# Altium PCB CarrierBoard.PcbDoc (part 1 of 2)
Units mm, origin at the board's own origin, x right, y up, seen from the top; angles counter-clockwise.
Board outline 350 x 150 mm, 2 copper layers (Top Layer, Bottom Layer); 50 components, 263 nets, 1134 pads, 905 vias.
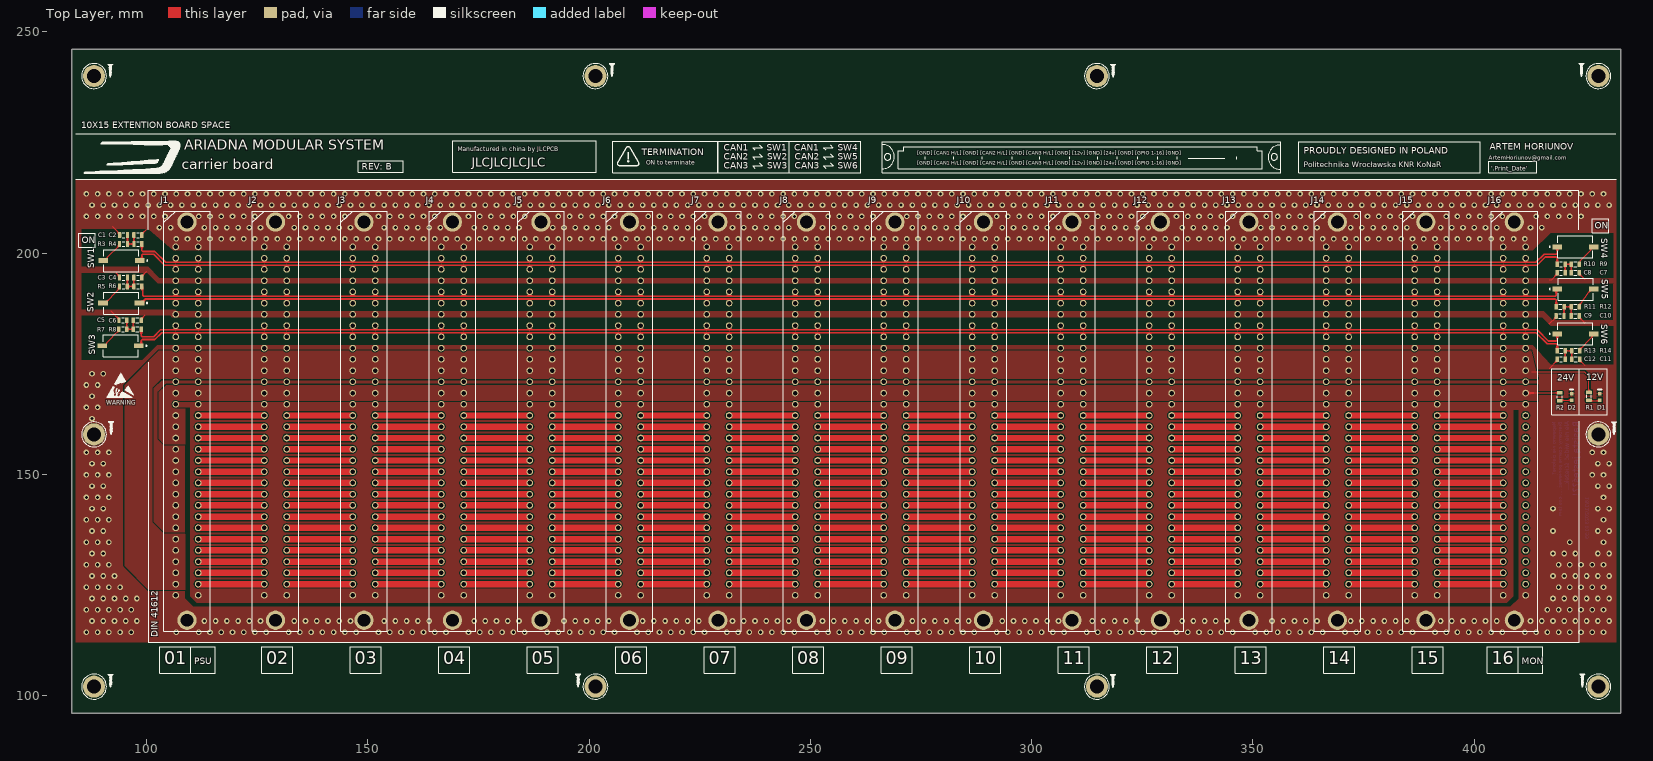
[diagram p0: Top Layer view]
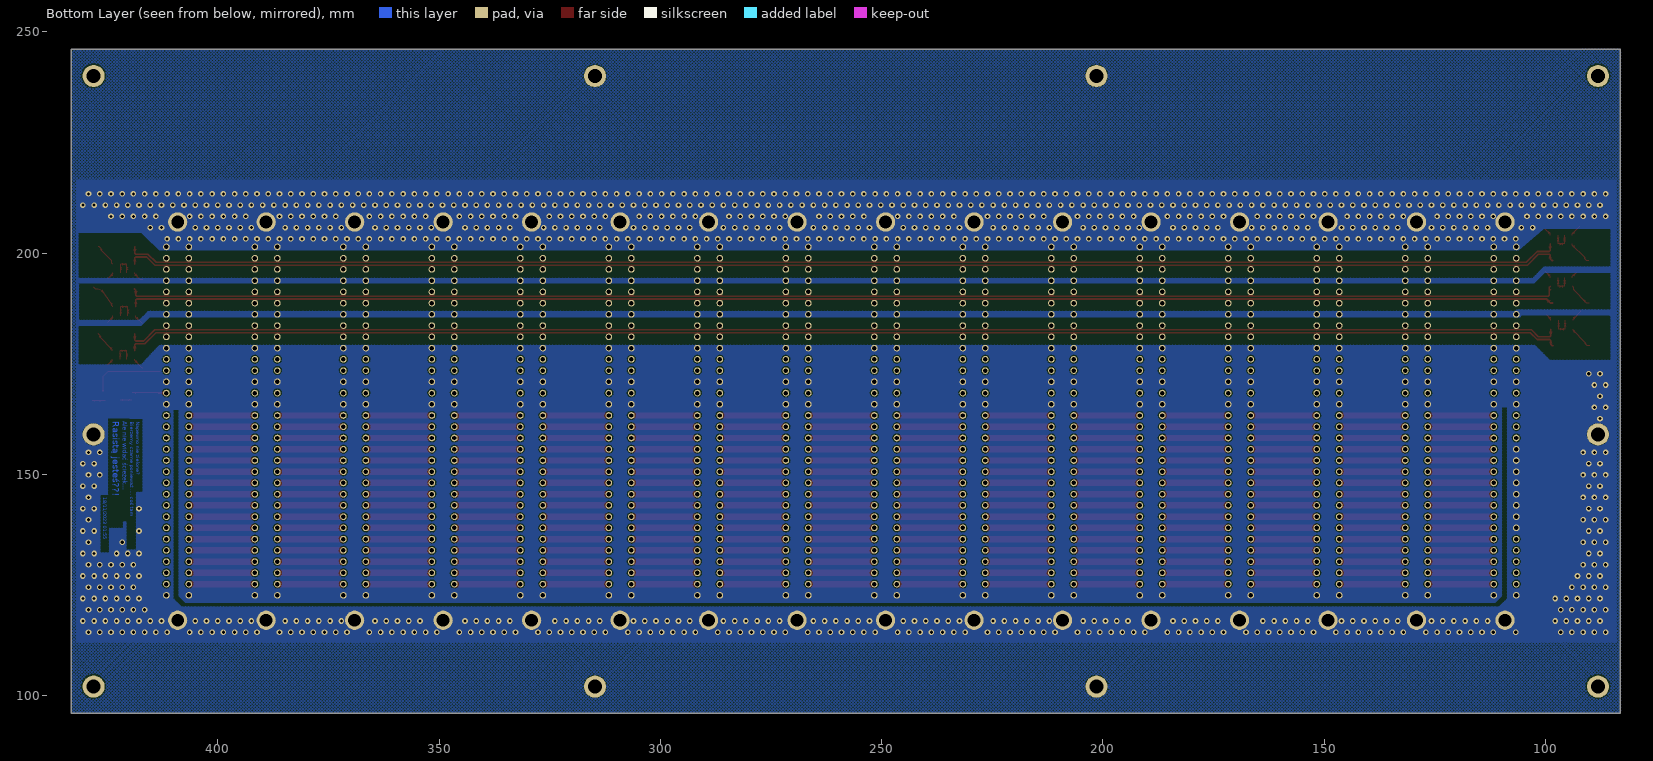
[diagram p1: Bottom Layer view, seen from below]

## Layer stack, top to bottom
Top Solder: solder mask 0.0102, Solder Resist, Dk 3.5
Top Layer: signal copper 0.0356
Dielectric 1: dielectric 0.32, FR-4, Dk 4.5
Bottom Layer: signal copper 0.0356
Bottom Solder: solder mask 0.0102, Solder Resist, Dk 3.5

## Board outline
83.1,96 433.1,96 433.1,246 83.1,246

## Design rules (kind name [scope] priority, off if disabled: settings)
Clearance [All] p1: gap=0.254 ignorepadtopadclearanceinfootprint=FALSE except(0: Arc-Hole Track-Hole SMDPad-Hole THPad-Hole Via-Hole Fill-Hole Poly-Hole Region-Hole Text-Hole)
DiffPairsRouting "Schematic Differential Pairs Routing" [InNet('CAN1_P')] p1: maxlimit=0.254 minlimit=0.254 mostfreqgap=0.254 toplayer_minwidth=0.381 toplayer_maxwidth=0.381 toplayer_prefwidth=0.381 bottomlayer_minwidth=0.381 bottomlayer_maxwidth=0.381 bottomlayer_prefwidth=0.381 maxuncoupledlength=12.7
DiffPairsRouting [All] p2: maxlimit=0.254 minlimit=0.254 mostfreqgap=0.254 toplayer_minwidth=0.381 toplayer_maxwidth=5 toplayer_prefwidth=0.381 bottomlayer_minwidth=0.381 bottomlayer_maxwidth=5 bottomlayer_prefwidth=0.381 maxuncoupledlength=12.7
HoleSize [All] p1: absolutevalues=TRUE maxlimit=6.3 minlimit=0.3 maxpercent=80.000 minpercent=20.000
PlaneConnect [All] p1: planeconnectstyle=Direct reliefexpansion=0.508 reliefentries=4 reliefconductorwidth=0.254 reliefairgap=0.254
PolygonConnect PolygonConnect_4 [All vs HasFootprint('RESC0805(2012)_L')] p1: thpad.connectstyle=Relief thpad.reliefconductorwidth=0.254 thpad.reliefentries=4 thpad.polygonreliefangle="90 Angle" thpad.airgapwidth=0.254 smdpad.connectstyle=Relief smdpad.reliefconductorwidth=0.254 smdpad.reliefentries=4 smdpad.polygonreliefangle="90 Angle" smdpad.airgapwidth=0.254 via.connectstyle=Direct via.reliefconductorwidth=0.254 via.reliefentries=4 via.polygonreliefangle="90 Angle" via.airgapwidth=0.254
PolygonConnect PolygonConnect_3 [All vs HasFootprint('FP-A6SN-1104-MFG')] p2: thpad.connectstyle=Relief thpad.reliefconductorwidth=0.254 thpad.reliefentries=4 thpad.polygonreliefangle="90 Angle" thpad.airgapwidth=0.254 smdpad.connectstyle=Relief smdpad.reliefconductorwidth=0.254 smdpad.reliefentries=4 smdpad.polygonreliefangle="90 Angle" smdpad.airgapwidth=0.254 via.connectstyle=Direct via.reliefconductorwidth=0.254 via.reliefentries=4 via.polygonreliefangle="90 Angle" via.airgapwidth=0.254
PolygonConnect PolygonConnect_2 [All vs HasFootprint('CAPC0805(2012)145_L')] p3: thpad.connectstyle=Relief thpad.reliefconductorwidth=0.254 thpad.reliefentries=4 thpad.polygonreliefangle="90 Angle" thpad.airgapwidth=0.254 smdpad.connectstyle=Relief smdpad.reliefconductorwidth=0.254 smdpad.reliefentries=4 smdpad.polygonreliefangle="90 Angle" smdpad.airgapwidth=0.254 via.connectstyle=Direct via.reliefconductorwidth=0.254 via.reliefentries=4 via.polygonreliefangle="90 Angle" via.airgapwidth=0.254
PolygonConnect PolygonConnect_1 [HasFootprint('AVAG-HSMX-C190_V')] p4: thpad.connectstyle=Relief thpad.reliefconductorwidth=0.254 thpad.reliefentries=4 thpad.polygonreliefangle="90 Angle" thpad.airgapwidth=0.254 smdpad.connectstyle=Relief smdpad.reliefconductorwidth=0.254 smdpad.reliefentries=4 smdpad.polygonreliefangle="90 Angle" smdpad.airgapwidth=0.254 via.connectstyle=Direct via.reliefconductorwidth=0.254 via.reliefentries=4 via.polygonreliefangle="90 Angle" via.airgapwidth=0.254
PolygonConnect [HasFootprint('09032646824')] p5: connectstyle=Direct reliefconductorwidth=0.254 reliefentries=4 polygonreliefangle="90 Angle" airgapwidth=0.254
RoutingVias [All] p1: holewidth=0.711 width=1.27 viastyle="Through Hole" minholewidth=0.711 minwidth=1.27 maxholewidth=0.711 maxwidth=1.27
SolderMaskExpansion [All] p1: expansion=0.102 istentingtop=TRUE
Width [All] p1: maxlimit=4 minlimit=0.254 preferedwidth=1.45 minimp=50.000000 maximp=50.000000 favimp=50.000000
27 further rules are at their usual default settings.

## Classes and differential pairs
component class Carrier: D1 D2 J1 J2 J3 J4 J5 J6 J7 J8 J9 J10 J11 J12 J13 J14 J15 J16 R1
component class "CAN TERMINATOR": C7 C8 C9 C10 C11 C12 R9 R10 R11 R12 R13 R14 SW4 SW5 SW6
component class CAN_TERMINATOR: C1 C2 C3 C4 C5 C6 R3 R4 R5 R6 R7 R8 SW1 SW2 SW3
differential pair CAN3: +CAN3_P -CAN3_N
differential pair CAN2: +CAN2_P -CAN2_N
differential pair CAN1: +CAN1_P -CAN1_N

## Components (designator, comment, footprint, x,y, rotation, side; value= is the part's Value field where it differs from the comment)
C1 "Capacitor 4.7µF +/-40% 25V 0805" CAPC0805(2012)145_L 94.76,204.05 r180 top value=4.7nF
C2 "Capacitor 4.7µF +/-40% 25V 0805" CAPC0805(2012)145_L 98.01,204.05 r0 top value=4.7nF
C3 "Capacitor 4.7µF +/-40% 25V 0805" CAPC0805(2012)145_L 94.747,194.448 r180 top value=4.7nF
C4 "Capacitor 4.7µF +/-40% 25V 0805" CAPC0805(2012)145_L 97.997,194.448 r0 top value=4.7nF
C5 "Capacitor 4.7µF +/-40% 25V 0805" CAPC0805(2012)145_L 94.62,184.796 r180 top value=4.7nF
C6 "Capacitor 4.7µF +/-40% 25V 0805" CAPC0805(2012)145_L 97.87,184.796 r0 top value=4.7nF
C7 "Capacitor 4.7µF +/-40% 25V 0805" CAPC0805(2012)145_L 419.682,195.556 r180 top value=4.7nF
C8 "Capacitor 4.7µF +/-40% 25V 0805" CAPC0805(2012)145_L 422.868,195.556 r0 top value=4.7nF
C9 "Capacitor 4.7µF +/-40% 25V 0805" CAPC0805(2012)145_L 419.428,185.777 r180 top value=4.7nF
C10 "Capacitor 4.7µF +/-40% 25V 0805" CAPC0805(2012)145_L 422.856,185.777 r0 top value=4.7nF
C11 "Capacitor 4.7µF +/-40% 25V 0805" CAPC0805(2012)145_L 419.682,175.998 r180 top value=4.7nF
C12 "Capacitor 4.7µF +/-40% 25V 0805" CAPC0805(2012)145_L 422.984,175.998 r0 top value=4.7nF
D1 "RED" AVAG-HSMX-C190_V 428.377,167.489 r90 top
D2 "RED" AVAG-HSMX-C190_V 422.027,167.489 r90 top
J1 "09032646824" 09032646824#1 106.56,201.37 r90 top
J2 "09032646824" 09032646824#2 126.56,201.37 r90 top
J3 "09032646824" 09032646824#2 146.56,201.37 r90 top
J4 "09032646824" 09032646824#2 166.56,201.37 r90 top
J5 "09032646824" 09032646824#2 186.56,201.37 r90 top
J6 "09032646824" 09032646824#2 206.56,201.37 r90 top
J7 "09032646824" 09032646824#2 226.56,201.37 r90 top
J8 "09032646824" 09032646824#2 246.56,201.37 r90 top
J9 "09032646824" 09032646824#2 266.56,201.37 r90 top
J10 "09032646824" 09032646824#2 286.56,201.37 r90 top
J11 "09032646824" 09032646824#2 306.56,201.37 r90 top
J12 "09032646824" 09032646824#2 326.56,201.37 r90 top
J13 "09032646824" 09032646824#2 346.56,201.37 r90 top
J14 "09032646824" 09032646824#2 366.56,201.37 r90 top
J15 "09032646824" 09032646824#2 386.56,201.37 r90 top
J16 "09032646824" 09032646824#2 406.56,201.37 r90 top
R1 "4D7R5J" RESC0805(2012)_L 425.964,167.627 r90 top value=2K2
R2 "4D7R5J" RESC0805(2012)_L 419.36,167.489 r90 top value=4k7
R3 "4D7R5J" RESC0805(2012)_L 94.76,202.05 r0 top value="60R 1%"
R4 "4D7R5J" RESC0805(2012)_L 98.01,202.05 r180 top value="60R 1%"
R5 "4D7R5J" RESC0805(2012)_L 94.747,192.448 r0 top value="60R 1%"
R6 "4D7R5J" RESC0805(2012)_L 97.997,192.448 r180 top value="60R 1%"
R7 "4D7R5J" RESC0805(2012)_L 94.62,182.796 r0 top value="60R 1%"
R8 "4D7R5J" RESC0805(2012)_L 97.87,182.796 r180 top value="60R 1%"
R9 "4D7R5J" RESC0805(2012)_L 422.857,197.461 r180 top value="60R 1%"
R10 "4D7R5J" RESC0805(2012)_L 419.681,197.461 r0 top value="60R 1%"
R11 "4D7R5J" RESC0805(2012)_L 422.856,187.862 r180 top value="60R 1%"
R12 "4D7R5J" RESC0805(2012)_L 419.466,187.862 r0 top value="60R 1%"
R13 "4D7R5J" RESC0805(2012)_L 422.984,177.903 r180 top value="60R 1%"
R14 "4D7R5J" RESC0805(2012)_L 419.693,177.903 r0 top value="60R 1%"
SW1 "A6SN-1104" FP-A6SN-1104-MFG 94.26,198.3 r90 top
SW2 "A6SN-1104" FP-A6SN-1104-MFG 94.247,188.698 r90 top
SW3 "A6SN-1104" FP-A6SN-1104-MFG 94.12,179.046 r90 top
SW4 "A6SN-1104" FP-A6SN-1104-MFG 422.918,201.398 r270 top
SW5 "A6SN-1104" FP-A6SN-1104-MFG 422.966,191.862 r270 top
SW6 "A6SN-1104" FP-A6SN-1104-MFG 422.918,181.713 r270 top

## Footprints (in the part's own frame and the unit in brackets; to place one, negate y for a bottom-side part, rotate by r counter-clockwise, add the part's x,y. Pads: shape width x height; smd on the part's side, far side on the other; paste and mask are expansions set on the pad)
09032646824#1 [mm]
  round 1.5 hole 1 paste-2539.97 mask+0.1: A1(0,0) A2(-2.54,0) A3(-5.08,0) A4(-7.62,0) A5(-10.16,0) A6(-12.7,0) A7(-15.24,0) A8(-17.78,0) A9(-20.32,0) A11(-25.4,0) A12(-27.94,0) A13(-30.48,0) A14(-33.02,0) A15(-35.56,0) A16(-38.1,0) A17(-40.64,0) A18(-43.18,0) A19(-45.72,0) A20(-48.26,0) A21(-50.8,0) A22(-53.34,0) A23(-55.88,0) A24(-58.42,0) A25(-60.96,0) A26(-63.5,0) A27(-66.04,0) A28(-68.58,0) A29(-71.12,0) A30(-73.66,0) A31(-76.2,0) A32(-78.74,0) C1(0,-5.08) C2(-2.54,-5.08) C3(-5.08,-5.08) C4(-7.62,-5.08) C5(-10.16,-5.08) C6(-12.7,-5.08) C7(-15.24,-5.08) C8(-17.78,-5.08) C9(-20.32,-5.08) C10(-22.86,-5.08) C11(-25.4,-5.08) C12(-27.94,-5.08) C13(-30.48,-5.08) C14(-33.02,-5.08) C15(-35.56,-5.08) C16(-38.1,-5.08) C17(-40.64,-5.08) C18(-43.18,-5.08) C19(-45.72,-5.08) C20(-48.26,-5.08) C21(-50.8,-5.08) C22(-53.34,-5.08) C23(-55.88,-5.08) C24(-58.42,-5.08) C25(-60.96,-5.08) C26(-63.5,-5.08) C27(-66.04,-5.08) C28(-68.58,-5.08) C29(-71.12,-5.08) C30(-73.66,-5.08) C31(-76.2,-5.08) C32(-78.74,-5.08)
  round 1.5 hole 1 paste+0 mask+0.1: A10(-22.86,0)
  round 4.35 hole 2.9 mask-4.35: MH1(-84.37,-2.54) MH2(5.63,-2.54)
  silkscreen extent -86.82,-7.79 8.08,2.71, body extent -86.8,-7.8 8.1,2.7, height 11.63
09032646824#2 [mm]
  round 1.5 hole 1 paste-2539.97 mask+0.1: A1(0,0) A2(-2.54,0) A3(-5.08,0) A4(-7.62,0) A5(-10.16,0) A6(-12.7,0) A7(-15.24,0) A8(-17.78,0) A9(-20.32,0) A10(-22.86,0) A11(-25.4,0) A12(-27.94,0) A13(-30.48,0) A14(-33.02,0) A15(-35.56,0) A16(-38.1,0) A17(-40.64,0) A18(-43.18,0) A19(-45.72,0) A20(-48.26,0) A21(-50.8,0) A22(-53.34,0) A23(-55.88,0) A24(-58.42,0) A25(-60.96,0) A26(-63.5,0) A27(-66.04,0) A28(-68.58,0) A29(-71.12,0) A30(-73.66,0) A31(-76.2,0) A32(-78.74,0) C1(0,-5.08) C2(-2.54,-5.08) C3(-5.08,-5.08) C4(-7.62,-5.08) C5(-10.16,-5.08) C6(-12.7,-5.08) C7(-15.24,-5.08) C8(-17.78,-5.08) C9(-20.32,-5.08) C10(-22.86,-5.08) C11(-25.4,-5.08) C12(-27.94,-5.08) C13(-30.48,-5.08) C14(-33.02,-5.08) C15(-35.56,-5.08) C16(-38.1,-5.08) C17(-40.64,-5.08) C18(-43.18,-5.08) C19(-45.72,-5.08) C20(-48.26,-5.08) C21(-50.8,-5.08) C22(-53.34,-5.08) C23(-55.88,-5.08) C24(-58.42,-5.08) C25(-60.96,-5.08) C26(-63.5,-5.08) C27(-66.04,-5.08) C28(-68.58,-5.08) C29(-71.12,-5.08) C30(-73.66,-5.08) C31(-76.2,-5.08) C32(-78.74,-5.08)
  round 4.35 hole 2.9 mask-4.35: MH1(-84.37,-2.54) MH2(5.63,-2.54)
  silkscreen extent -86.82,-7.79 8.08,2.71, body extent -86.8,-7.8 8.1,2.7, height 11.63
AVAG-HSMX-C190_V [mm] "SMD, 2-Leads, Body 1.6x0.8mm, Height 0.9mm"
  rect 0.8x0.8 smd mask-0.8: 1(-0.75,0) 2(0.75,0)
  silkscreen extent 1.65,-0.4 1.65,0.4, body extent -0.8,-0.4 0.8,0.4, height 0.9
CAPC0805(2012)145_L [mm] "Chip Capacitor, Body 2.0x1.2mm, Height 1.45mm, IPC High Density"
  rrect25% 0.76x1.3 smd mask+0: 1(-0.9,0) 2(0.89,0)
  silkscreen extent -0.3,-0.55 0.3,0.55, body extent -1,-0.6 1,0.6, height 1.45
FP-A6SN-1104-MFG [mm]
  rect 1.1x2.15 smd paste+0 mask+0: 1(0,-4.125) 2(0,4.125)
  silkscreen extent -2.49,-5.95 2.49,3.95, body extent -2.59,-5.3 2.59,5.3, height 0.25
RESC0805(2012)_L [mm] "Chip Resistor, Body 2.0x1.3mm, IPC High Density"
  rrect25% 0.76x1.3 smd mask+0: 1(-0.9,0) 2(0.89,0)
  silkscreen extent -0.3,-0.55 0.3,0.55, body extent -1,-0.62 1,0.63, height 0.6

## Part data
C1 C2 C3 C4 C5 C6 C7 C8 C9 C10 C11 C12: library part CMP-001-00080-4, "Chip Capacitor, 4.7µF +/-40%, 25V, 0805, Thickness 1.45 mm", Case/Package=0805, Max Operating Temperature=85°C, Min Operating Temperature=-55°C, Tolerance=20%, Voltage Rating=25V, Mounting Technology=SMT, Pins=2
D1 D2: library part CMP-1744-00004-1, "LED Uni-Color Red, 65 mW, 20 mA, -40 to 85 degC, 2-Pin SMD, RoHS, Tape and Reel", Current Rating="1 A", Max Operating Temperature="85 degC", Min Operating Temperature="-30 degC", Package Quantity=2000, ComponentLink1Description="Manufacturer URL", ComponentLink1URL=http://www.avagotech.com/, ComponentLink2Description=Datasheet, ComponentLink2URL=http://docs.avagotech.com/docs/AV02-0551EN, ComponentLink3Description="Package Specification", ComponentLink3URL=http://www.fairchildsemi.com/dwg/MA/MA03D.pdf, Connector Type=USB, Contact Material=Copper, Contact Plating=Gold, DatasheetVersion=Mar-12, Gender=Male, Height="2.8 mm", Lead Pitch="0.65 mm", Length="7.5 mm", Mount="Surface Mount", PackageDescription="2-Pin Surface Mount Device, Body 1.6 x 0.8 mm, Height 0.9 mm", PackageReference=HSMX-C190, Packaging="Tape and Reel", Pins=5, REACH SVHC="No SVHC", RoHSCompliant=true, Width="5.6 mm"
J1 J2 J3 J4 J5 J6 J7 J8 J9 J10 J11 J12 J13 J14 J15 J16: "DIN C female straight 64pin, 2.9mm tails, PL2 (rows a,c loaded)", Manufacturer_Name=HARTING, Arrow Part Number=09032646824, Arrow Price/Stock=https://www.arrow.com/en/products/09032646824/harting?region=europe, Datasheet Link=https://www.arrow.com/en/products/09032646824/harting?region=europe, Geometry.Height=11.6mm, Manufacturer_Part_Number=09032646824
R1 R2 R3 R4 R5 R6 R7 R8 R9 R10 R11 R12 R13 R14: library part CMP-009-00106-2, "4R7 0.125W 5% 0805 (2012 Metric)  SMD", Case/Package=0805, Power=125mW, Tolerance=5%, Mounting Technology=SMT, Pins=2
SW1 SW2 SW3 SW4 SW5 SW6: library part CMP-08827-000077-1, "SWITCH SLIDE DIP SPST 25MA 24V", Contact Resistance=200mR, Current Rating=10uA, Max Current Rating=25mA, Max Operating Temperature=85°C, Max Voltage Rating (DC)=24V, Min Operating Temperature=-30°C, Package Quantity=100, Voltage Rating (DC)=3.5V, Actuator Length=1mm, Actuator Type=Standard, Electrical Life=1000Cycles, Mount="Surface Mount", Number of Circuits=1, Number of Positions=1, Orientation=Straight, Packaging=Rail/Tube, Radiation Hardening=No, RoHS Compliant=Yes, Series=A6SN, Termination="Gull Wing", Throw Configuration=SPST, Washable=Yes

## Free pads (board coordinates)
  round 5 hole 3.2 mask+0: 2(88.1,102) 2(88.1,159) 2(88.1,240) 2(201.433,102) 2(201.433,240) 2(314.767,102) 2(314.767,240) 2(428.1,102) 2(428.1,240) 2(428.1,159)

## Via types
v1: diameter 1.27, hole 0.711, Top Layer to Bottom Layer, tented both sides, 905 vias

## Nets (pads, with @x,y where several pads share a name; then routed paths per layer and width w, separated by ;. In a path a pad name is that pad's centre, name@x,y a point inside that pad or via, vN(x,y) a via of type N, cw(c..) or ccw(c..) an arc to the next point about the centre after c; other vN are vias at no path point)
+12: J1.A11 J1.A12 J1.A27 J1.A28 J1.A29 J1.A30 J1.A31 J1.C11 J1.C12 J2.A11 J2.A12 J2.C11 J2.C12 J3.A11 J3.A12 J3.C11 J3.C12 J4.A11 J4.A12 J4.C11 J4.C12 J5.A11 J5.A12 J5.C11 J5.C12 J6.A11 J6.A12 J6.C11 J6.C12 J7.A11 J7.A12 J7.C11 J7.C12 J8.A11 J8.A12 J8.C11 J8.C12 J9.A11 J9.A12 J9.C11 J9.C12 J10.A11 J10.A12 J10.C11 J10.C12 J11.A11 J11.A12 J11.C11 J11.C12 J12.A11 J12.A12 J12.C11 J12.C12 J13.A11 J13.A12 J13.C11 J13.C12 J14.A11 J14.A12 J14.C11 J14.C12 J15.A11 J15.A12 J15.C11 J15.C12 J16.A11 J16.A12 J16.C11 J16.C12 R1.2 | length 17.3
  Top Layer w0.254: J16.C12@411.683,173.386 J16.C12@411.64,173.43 J16.C12@411.796,173.586 ; 413,173.205 424.947,173.205 425.964,172.188 R1.2@425.964,168.517
+24: J1.A14 J1.A16 J1.A17 J1.A18 J1.C14 J2.A14 J2.C14 J3.A14 J3.C14 J4.A14 J4.C14 J5.A14 J5.C14 J6.A14 J6.C14 J7.A14 J7.C14 J8.A14 J8.C14 J9.A14 J9.C14 J10.A14 J10.C14 J11.A14 J11.C14 J12.A14 J12.C14 J13.A14 J13.C14 J14.A14 J14.C14 J15.A14 J15.C14 J16.A14 J16.C14 R2.2 | length 7.9
  Top Layer w0.254: J16.C14@411.527,168.364 411.513,168.35 J16.C14@411.64,168.35 413.458,168.35 413.487,168.379 R2.2@419.36,168.379 R2.2@419.345,168.364
CAN1_N: J1.A3 J1.C3 J2.A3 J2.C3 J3.A3 J3.C3 J4.A3 J4.C3 J5.A3 J5.C3 J6.A3 J6.C3 J7.A3 J7.C3 J8.A3 J8.C3 J9.A3 J9.C3 J10.A3 J10.C3 J11.A3 J11.C3 J12.A3 J12.C3 J13.A3 J13.C3 J14.A3 J14.C3 J15.A3 J15.C3 J16.A3 J16.C3 R10.1 SW1.1 | length 355.5
  Top Layer w0.381: SW1.1@98.385,198.3 98.55,198.3 98.91,198.66 98.91,199.477 99.133,199.7 101.561,199.7 104.018,197.242 106.551,197.242 ; J1.A3@106.56,196.29 106.551,196.299 106.551,197.242 ; J1.C3@111.64,196.29 111.656,196.306 111.656,197.242 ; J2.A3@126.56,196.29 126.566,196.296 126.566,197.242 ; J2.C3@131.64,196.29 131.646,196.296 131.646,197.242 ; J3.A3@146.56,196.29 146.556,196.294 146.556,197.242 ; J3.C3@151.64,196.29 151.61,196.32 151.61,197.242 ; J4.A3@166.56,196.29 166.571,196.301 166.571,197.242 ; J4.C3@171.64,196.29 171.626,196.304 171.626,197.242 ; J5.A3@186.56,196.29 186.535,196.315 186.535,197.242 ; J5.C3@191.64,196.29 191.666,196.316 191.666,197.242 ; J6.A3@206.56,196.29 206.576,196.306 206.576,197.242 ; J6.C3@211.64,196.29 211.656,196.306 211.656,197.242 ; J7.A3@226.56,196.29 226.566,196.296 226.566,197.242 ; J7.C3@231.64,196.29 231.671,196.321 231.671,197.242 ; J8.A3@246.56,196.29 246.556,196.294 246.556,197.242 ; J8.C3@251.64,196.29 251.661,196.311 251.661,197.242 ; J9.A3@266.56,196.29 266.52,196.33 266.52,197.242 ; J9.C3@271.64,196.29 271.651,196.301 271.651,197.242 ; J10.A3@286.56,196.29 286.51,196.34 286.51,197.242 ; J10.C3@291.64,196.29 291.666,196.316 291.666,197.242 ; J11.A3@306.56,196.29 306.55,196.3 306.55,197.242 ; J11.C3@311.64,196.29 311.63,196.3 311.63,197.242 ; J12.A3@326.56,196.29 326.515,196.335 326.515,197.242 ; J12.C3@331.64,196.29 331.595,196.335 331.595,197.242 ; J13.A3@346.56,196.29 346.555,196.295 346.555,197.242 ; J13.C3@351.64,196.29 351.661,196.311 351.661,197.242 ; J14.A3@366.56,196.29 366.545,196.305 366.545,197.242 ; J14.C3@371.64,196.29 371.625,196.305 371.625,197.242 ; J15.A3@386.56,196.29 386.535,196.315 386.535,197.242 ; J15.C3@391.64,196.29 391.64,197.242 ; J16.A3@406.56,196.29 406.55,196.3 406.55,197.242 ; J16.C3@411.64,196.29 411.656,196.306 411.656,197.242 ; R10.1@418.781,197.461 418.781,198.891 418.558,199.114 416.092,199.114 414.22,197.242 411.656,197.242 ; 106.551,197.242 111.656,197.242 ; 111.656,197.242 126.566,197.242 ; 126.566,197.242 131.646,197.242 ; 131.646,197.242 146.556,197.242 ; 146.556,197.242 151.61,197.242 ; 151.61,197.242 166.571,197.242 ; 166.571,197.242 171.626,197.242 ; 171.626,197.242 186.535,197.242 ; 186.535,197.242 191.666,197.242 ; 191.666,197.242 206.576,197.242 ; 206.576,197.242 211.656,197.242 ; 211.656,197.242 226.566,197.242 ; 226.566,197.242 231.671,197.242 ; 231.671,197.242 246.556,197.242 ; 246.556,197.242 251.661,197.242 ; 251.661,197.242 266.52,197.242 ; 266.52,197.242 271.651,197.242 ; 271.651,197.242 286.51,197.242 ; 286.51,197.242 291.666,197.242 ; 291.666,197.242 306.55,197.242 ; 306.55,197.242 311.63,197.242 ; 311.63,197.242 326.515,197.242 ; 326.515,197.242 331.595,197.242 ; 331.595,197.242 346.555,197.242 ; 346.555,197.242 351.661,197.242 ; 351.661,197.242 366.545,197.242 ; 366.545,197.242 371.625,197.242 ; 371.625,197.242 386.535,197.242 ; 386.535,197.242 391.64,197.242 ; 391.64,197.242 406.55,197.242 ; 406.55,197.242 411.656,197.242
CAN1_P: J1.A2 J1.C2 J2.A2 J2.C2 J3.A2 J3.C2 J4.A2 J4.C2 J5.A2 J5.C2 J6.A2 J6.C2 J7.A2 J7.C2 J8.A2 J8.C2 J9.A2 J9.C2 J10.A2 J10.C2 J11.A2 J11.C2 J12.A2 J12.C2 J13.A2 J13.C2 J14.A2 J14.C2 J15.A2 J15.C2 J16.A2 J16.C2 R4.1 SW4.1 | length 356.1
  Top Layer w0.381: R4.1@98.91,202.05 98.91,200.558 99.133,200.335 101.824,200.335 104.281,197.877 106.551,197.877 ; J1.A2@106.56,198.83 106.551,198.821 106.551,197.877 ; J1.C2@111.64,198.83 111.656,198.814 111.656,197.877 ; J2.A2@126.56,198.83 126.566,198.824 126.566,197.877 ; J2.C2@131.64,198.83 131.646,198.824 131.646,197.877 ; J3.A2@146.56,198.83 146.556,198.826 146.556,197.877 ; J3.C2@151.64,198.83 151.61,198.8 151.61,197.877 ; J4.A2@166.56,198.83 166.571,198.819 166.571,197.877 ; J4.C2@171.64,198.83 171.626,198.816 171.626,197.877 ; J5.A2@186.56,198.83 186.535,198.805 186.535,197.877 ; J5.C2@191.64,198.83 191.666,198.804 191.666,197.877 ; J6.A2@206.56,198.83 206.576,198.814 206.576,197.877 ; J6.C2@211.64,198.83 211.656,198.814 211.656,197.877 ; J7.A2@226.56,198.83 226.566,198.824 226.566,197.877 ; J7.C2@231.64,198.83 231.671,198.799 231.671,197.877 ; J8.A2@246.56,198.83 246.556,198.826 246.556,197.877 ; J8.C2@251.64,198.83 251.661,198.809 251.661,197.877 ; J9.A2@266.56,198.83 266.52,198.79 266.52,197.877 ; J9.C2@271.64,198.83 271.651,198.819 271.651,197.877 ; 291.641,197.877 286.561,197.877 286.561,198.829 286.51,198.78 286.51,197.877 271.651,197.877 ; J10.C2@291.64,198.83 291.666,198.804 291.666,197.877 306.55,197.877 ; J11.A2@306.56,198.83 306.576,198.814 306.576,197.877 311.63,197.877 ; J11.C2@311.64,198.83 311.656,198.814 311.656,197.877 326.515,197.877 ; J12.A2@326.56,198.83 326.566,198.824 326.566,197.877 331.595,197.877 ; J12.C2@331.64,198.83 331.646,198.824 331.646,197.877 346.555,197.877 ; J13.A2@346.56,198.83 346.555,198.825 346.555,197.877 ; 351.635,197.877 346.555,197.877 ; J13.C2@351.64,198.83 351.661,198.809 351.661,197.877 366.545,197.877 ; J14.A2@366.56,198.83 366.571,198.819 366.571,197.877 371.625,197.877 ; J14.C2@371.64,198.83 371.625,198.815 371.625,197.877 ; J15.A2@386.56,198.83 386.535,198.805 386.535,197.877 ; J15.C2@391.64,198.83 391.64,197.877 ; J16.A2@406.56,198.83 406.55,198.82 406.55,197.877 ; J16.C2@411.64,198.83 411.656,198.814 411.656,197.877 ; SW4.1@418.793,201.398 418.781,201.386 418.781,199.973 418.558,199.749 415.829,199.749 413.957,197.877 411.656,197.877 ; 106.551,197.877 111.656,197.877 ; 111.656,197.877 126.566,197.877 ; 126.566,197.877 131.646,197.877 ; 131.646,197.877 146.556,197.877 ; 146.556,197.877 151.61,197.877 ; 151.61,197.877 166.571,197.877 ; 166.571,197.877 171.626,197.877 ; 171.626,197.877 186.535,197.877 ; 186.535,197.877 191.666,197.877 ; 191.666,197.877 206.576,197.877 ; 206.576,197.877 211.656,197.877 ; 211.656,197.877 226.566,197.877 ; 226.566,197.877 231.671,197.877 ; 231.671,197.877 246.556,197.877 ; 246.556,197.877 251.661,197.877 ; 251.661,197.877 266.52,197.877 ; 266.52,197.877 271.651,197.877 ; 371.625,197.877 386.535,197.877 ; 386.535,197.877 391.64,197.877 ; 391.64,197.877 406.55,197.877 ; 406.55,197.877 411.656,197.877
CAN2_N: J1.A6 J1.C6 J2.A6 J2.C6 J3.A6 J3.C6 J4.A6 J4.C6 J5.A6 J5.C6 J6.A6 J6.C6 J7.A6 J7.C6 J8.A6 J8.C6 J9.A6 J9.C6 J10.A6 J10.C6 J11.A6 J11.C6 J12.A6 J12.C6 J13.A6 J13.C6 J14.A6 J14.C6 J15.A6 J15.C6 J16.A6 J16.C6 R12.1 SW2.1 | length 352.7
  Top Layer w0.381: SW2.1@98.372,188.698 98.897,188.698 99.256,189.058 99.256,189.142 99.736,189.622 106.56,189.622 ; J1.A6@106.56,188.67 106.56,189.622 ; J1.C6@111.64,188.67 111.64,189.622 ; J2.A6@126.56,188.67 126.56,189.622 ; J2.C6@131.64,188.67 131.64,189.622 ; J3.A6@146.56,188.67 146.56,189.622 ; J3.C6@151.64,188.67 151.64,189.622 ; J4.A6@166.56,188.67 166.56,189.622 ; J4.C6@171.64,188.67 171.64,189.622 ; J5.A6@186.56,188.67 186.56,189.622 ; J5.C6@191.64,188.67 191.64,189.622 ; J6.A6@206.56,188.67 206.56,189.622 ; J6.C6@211.64,188.67 211.64,189.622 ; J7.A6@226.56,188.67 226.56,189.622 ; J7.C6@231.64,188.67 231.64,189.622 ; J8.A6@246.56,188.67 246.56,189.622 ; J8.C6@251.64,188.67 251.64,189.622 ; J9.A6@266.56,188.67 266.56,189.622 ; J9.C6@271.64,188.67 271.64,189.622 ; J10.A6@286.56,188.67 286.56,189.622 ; J10.C6@291.64,188.67 291.64,189.622 ; J11.A6@306.56,188.67 306.56,189.622 ; J11.C6@311.64,188.67 311.64,189.622 ; J12.A6@326.56,188.67 326.56,189.622 ; J12.C6@331.64,188.67 331.64,189.622 ; J13.A6@346.56,188.67 346.56,189.622 ; J13.C6@351.64,188.67 351.64,189.622 ; J14.A6@366.56,188.67 366.56,189.622 ; J14.C6@371.64,188.67 371.64,189.622 ; J15.A6@386.56,188.67 386.56,189.622 ; J15.C6@391.64,188.67 391.64,189.622 ; J16.A6@406.56,188.67 406.56,189.622 ; J16.C6@411.64,188.67 411.64,189.622 ; R12.1@418.566,187.862 418.566,189.399 418.343,189.622 411.64,189.622 ; 106.56,189.622 111.64,189.622 ; 111.64,189.622 126.56,189.622 ; 126.56,189.622 131.64,189.622 ; 131.64,189.622 146.56,189.622 ; 146.56,189.622 151.64,189.622 ; 151.64,189.622 166.56,189.622 ; 166.56,189.622 171.64,189.622 ; 171.64,189.622 186.56,189.622 ; 186.56,189.622 191.64,189.622 ; 191.64,189.622 206.56,189.622 ; 206.56,189.622 211.64,189.622 ; 211.64,189.622 226.56,189.622 ; 226.56,189.622 231.64,189.622 ; 231.64,189.622 246.56,189.622 ; 246.56,189.622 251.64,189.622 ; 251.64,189.622 266.56,189.622 ; 266.56,189.622 271.64,189.622 ; 271.64,189.622 286.56,189.622 ; 286.56,189.622 291.64,189.622 ; 291.64,189.622 306.56,189.622 ; 306.56,189.622 311.64,189.622 ; 311.64,189.622 326.56,189.622 ; 326.56,189.622 331.64,189.622 ; 331.64,189.622 346.56,189.622 ; 346.56,189.622 351.64,189.622 ; 351.64,189.622 366.56,189.622 ; 366.56,189.622 371.64,189.622 ; 371.64,189.622 386.56,189.622 ; 386.56,189.622 391.64,189.622 ; 391.64,189.622 406.56,189.622 ; 406.56,189.622 411.64,189.622
CAN2_P: J1.A5 J1.C5 J2.A5 J2.C5 J3.A5 J3.C5 J4.A5 J4.C5 J5.A5 J5.C5 J6.A5 J6.C5 J7.A5 J7.C5 J8.A5 J8.C5 J9.A5 J9.C5 J10.A5 J10.C5 J11.A5 J11.C5 J12.A5 J12.C5 J13.A5 J13.C5 J14.A5 J14.C5 J15.A5 J15.C5 J16.A5 J16.C5 R6.1 SW5.1 | length 353.7
  Top Layer w0.381: R6.1@98.897,192.448 99.081,192.264 99.081,190.481 99.304,190.257 106.56,190.257 ; J1.A5@106.56,191.21 106.56,190.257 ; J1.C5@111.64,191.21 111.64,190.257 ; J2.A5@126.56,191.21 126.56,190.257 ; J2.C5@131.64,191.21 131.64,190.257 ; J3.A5@146.56,191.21 146.56,190.257 ; J3.C5@151.64,191.21 151.64,190.257 ; J4.A5@166.56,191.21 166.56,190.257 ; J4.C5@171.64,191.21 171.64,190.257 ; J5.A5@186.56,191.21 186.56,190.257 ; J5.C5@191.64,191.21 191.64,190.257 ; J6.A5@206.56,191.21 206.56,190.257 ; J6.C5@211.64,191.21 211.64,190.257 ; J7.A5@226.56,191.21 226.56,190.257 ; J7.C5@231.64,191.21 231.64,190.257 ; J8.A5@246.56,191.21 246.56,190.257 ; J8.C5@251.64,191.21 251.64,190.257 ; J9.A5@266.56,191.21 266.56,190.257 ; J9.C5@271.64,191.21 271.64,190.257 ; J10.A5@286.56,191.21 286.56,190.257 ; J10.C5@291.64,191.21 291.64,190.257 ; J11.A5@306.56,191.21 306.56,190.257 ; J11.C5@311.64,191.21 311.64,190.257 ; J12.A5@326.56,191.21 326.56,190.257 ; J12.C5@331.64,191.21 331.64,190.257 ; J13.A5@346.56,191.21 346.56,190.257 ; J13.C5@351.64,191.21 351.64,190.257 ; J14.A5@366.56,191.21 366.56,190.257 ; J14.C5@371.64,191.21 371.64,190.257 ; J15.A5@386.56,191.21 386.56,190.257 ; J15.C5@391.64,191.21 391.64,190.257 ; J16.A5@406.56,191.21 406.56,190.257 ; J16.C5@411.64,191.21 411.64,190.257 ; SW5.1@418.841,191.862 418.566,191.587 418.566,190.481 418.343,190.257 411.64,190.257 ; 106.56,190.257 111.64,190.257 ; 111.64,190.257 126.56,190.257 ; 126.56,190.257 131.64,190.257 ; 131.64,190.257 146.56,190.257 ; 146.56,190.257 151.64,190.257 ; 151.64,190.257 166.56,190.257 ; 166.56,190.257 171.64,190.257 ; 171.64,190.257 186.56,190.257 ; 186.56,190.257 191.64,190.257 ; 191.64,190.257 206.56,190.257 ; 206.56,190.257 211.64,190.257 ; 211.64,190.257 226.56,190.257 ; 226.56,190.257 231.64,190.257 ; 231.64,190.257 246.56,190.257 ; 246.56,190.257 251.64,190.257 ; 251.64,190.257 266.56,190.257 ; 266.56,190.257 271.64,190.257 ; 271.64,190.257 286.56,190.257 ; 286.56,190.257 291.64,190.257 ; 291.64,190.257 306.56,190.257 ; 306.56,190.257 311.64,190.257 ; 311.64,190.257 326.56,190.257 ; 326.56,190.257 331.64,190.257 ; 331.64,190.257 346.56,190.257 ; 346.56,190.257 351.64,190.257 ; 351.64,190.257 366.56,190.257 ; 366.56,190.257 371.64,190.257 ; 371.64,190.257 386.56,190.257 ; 386.56,190.257 391.64,190.257 ; 391.64,190.257 406.56,190.257 ; 406.56,190.257 411.64,190.257
CAN3_N: J1.A9 J1.C9 J2.A9 J2.C9 J3.A9 J3.C9 J4.A9 J4.C9 J5.A9 J5.C9 J6.A9 J6.C9 J7.A9 J7.C9 J8.A9 J8.C9 J9.A9 J9.C9 J10.A9 J10.C9 J11.A9 J11.C9 J12.A9 J12.C9 J13.A9 J13.C9 J14.A9 J14.C9 J15.A9 J15.C9 J16.A9 J16.C9 R14.1 SW3.1 | length 355.2
  Top Layer w0.381: SW3.1@98.245,179.046 98.41,179.046 98.77,179.406 98.77,180.223 98.993,180.446 101.832,180.446 103.389,182.002 106.56,182.002 ; J1.A9@106.56,181.05 106.56,182.002 ; J1.C9@111.64,181.05 111.64,182.002 ; J2.A9@126.56,181.05 126.56,182.002 ; J2.C9@131.64,181.05 131.64,182.002 ; J3.A9@146.56,181.05 146.56,182.002 ; J3.C9@151.64,181.05 151.64,182.002 ; J4.A9@166.56,181.05 166.56,182.002 ; J4.C9@171.64,181.05 171.64,182.002 ; J5.A9@186.56,181.05 186.56,182.002 ; J5.C9@191.64,181.05 191.64,182.002 ; J6.A9@206.56,181.05 206.56,182.002 ; J6.C9@211.64,181.05 211.64,182.002 ; J7.A9@226.56,181.05 226.56,182.002 ; J7.C9@231.64,181.05 231.64,182.002 ; J8.A9@246.56,181.05 246.56,182.002 ; J8.C9@251.64,181.05 251.64,182.002 ; J9.A9@266.56,181.05 266.56,182.002 ; J9.C9@271.64,181.05 271.64,182.002 ; J10.A9@286.56,181.05 286.56,182.002 ; J10.C9@291.64,181.05 291.64,182.002 ; J11.A9@306.56,181.05 306.56,182.002 ; J11.C9@311.64,181.05 311.64,182.002 ; J12.A9@326.56,181.05 326.56,182.002 ; J12.C9@331.64,181.05 331.64,182.002 ; J13.A9@346.56,181.05 346.56,182.002 ; J13.C9@351.64,181.05 351.64,182.002 ; J14.A9@366.56,181.05 366.56,182.002 ; J14.C9@371.64,181.05 371.64,182.002 ; J15.A9@386.56,181.05 386.56,182.002 ; J15.C9@391.64,181.05 391.64,182.002 ; J16.A9@406.56,181.05 406.56,182.002 ; J16.C9@411.64,181.05 411.64,182.002 ; R14.1@418.793,177.903 418.793,179.267 418.57,179.49 416.527,179.49 414.015,182.002 411.64,182.002 ; 106.56,182.002 111.64,182.002 ; 111.64,182.002 126.56,182.002 ; 126.56,182.002 131.64,182.002 ; 131.64,182.002 146.56,182.002 ; 146.56,182.002 151.64,182.002 ; 151.64,182.002 166.56,182.002 ; 166.56,182.002 171.64,182.002 ; 171.64,182.002 186.56,182.002 ; 186.56,182.002 191.64,182.002 ; 191.64,182.002 206.56,182.002 ; 206.56,182.002 211.64,182.002 ; 211.64,182.002 226.56,182.002 ; 226.56,182.002 231.64,182.002 ; 231.64,182.002 246.56,182.002 ; 246.56,182.002 251.64,182.002 ; 251.64,182.002 266.56,182.002 ; 266.56,182.002 271.64,182.002 ; 271.64,182.002 286.56,182.002 ; 286.56,182.002 291.64,182.002 ; 291.64,182.002 306.56,182.002 ; 306.56,182.002 311.64,182.002 ; 311.64,182.002 326.56,182.002 ; 326.56,182.002 331.64,182.002 ; 331.64,182.002 346.56,182.002 ; 346.56,182.002 351.64,182.002 ; 351.64,182.002 366.56,182.002 ; 366.56,182.002 371.64,182.002 ; 371.64,182.002 386.56,182.002 ; 386.56,182.002 391.64,182.002 ; 391.64,182.002 406.56,182.002 ; 406.56,182.002 411.64,182.002
CAN3_P: J1.A8 J1.C8 J2.A8 J2.C8 J3.A8 J3.C8 J4.A8 J4.C8 J5.A8 J5.C8 J6.A8 J6.C8 J7.A8 J7.C8 J8.A8 J8.C8 J9.A8 J9.C8 J10.A8 J10.C8 J11.A8 J11.C8 J12.A8 J12.C8 J13.A8 J13.C8 J14.A8 J14.C8 J15.A8 J15.C8 J16.A8 J16.C8 R8.1 SW6.1 | length 355.2
  Top Layer w0.381: R8.1@98.77,182.796 98.77,181.304 98.993,181.081 101.569,181.081 103.126,182.637 106.56,182.637 ; J1.A8@106.56,183.59 106.56,182.637 ; J1.C8@111.64,183.59 111.64,182.637 ; J2.A8@126.56,183.59 126.56,182.637 ; J2.C8@131.64,183.59 131.64,182.637 ; J3.A8@146.56,183.59 146.56,182.637 ; J3.C8@151.64,183.59 151.64,182.637 ; J4.A8@166.56,183.59 166.56,182.637 ; J4.C8@171.64,183.59 171.64,182.637 ; J5.A8@186.56,183.59 186.56,182.637 ; J5.C8@191.64,183.59 191.64,182.637 ; J6.A8@206.56,183.59 206.56,182.637 ; J6.C8@211.64,183.59 211.64,182.637 ; J7.A8@226.56,183.59 226.56,182.637 ; J7.C8@231.64,183.59 231.64,182.637 ; J8.A8@246.56,183.59 246.56,182.637 ; J8.C8@251.64,183.59 251.64,182.637 ; J9.A8@266.56,183.59 266.56,182.637 ; J9.C8@271.64,183.59 271.64,182.637 ; J10.A8@286.56,183.59 286.56,182.637 ; J10.C8@291.64,183.59 291.64,182.637 ; J11.A8@306.56,183.59 306.56,182.637 ; J11.C8@311.64,183.59 311.64,182.637 ; J12.A8@326.56,183.59 326.56,182.637 ; J12.C8@331.64,183.59 331.64,182.637 ; J13.A8@346.56,183.59 346.56,182.637 ; J13.C8@351.64,183.59 351.64,182.637 ; J14.A8@366.56,183.59 366.56,182.637 ; J14.C8@371.64,183.59 371.64,182.637 ; J15.A8@386.56,183.59 386.56,182.637 ; J15.C8@391.64,183.59 391.64,182.637 ; J16.A8@406.56,183.59 406.56,182.637 ; J16.C8@411.64,183.59 411.64,182.637 ; SW6.1@418.793,181.713 418.793,180.349 418.57,180.125 416.79,180.125 414.278,182.637 411.64,182.637 ; 106.56,182.637 111.64,182.637 ; 111.64,182.637 126.56,182.637 ; 126.56,182.637 131.64,182.637 ; 131.64,182.637 146.56,182.637 ; 146.56,182.637 151.64,182.637 ; 151.64,182.637 166.56,182.637 ; 166.56,182.637 171.64,182.637 ; 171.64,182.637 186.56,182.637 ; 186.56,182.637 191.64,182.637 ; 191.64,182.637 206.56,182.637 ; 206.56,182.637 211.64,182.637 ; 211.64,182.637 226.56,182.637 ; 226.56,182.637 231.64,182.637 ; 231.64,182.637 246.56,182.637 ; 246.56,182.637 251.64,182.637 ; 251.64,182.637 266.56,182.637 ; 266.56,182.637 271.64,182.637 ; 271.64,182.637 286.56,182.637 ; 286.56,182.637 291.64,182.637 ; 291.64,182.637 306.56,182.637 ; 306.56,182.637 311.64,182.637 ; 311.64,182.637 326.56,182.637 ; 326.56,182.637 331.64,182.637 ; 331.64,182.637 346.56,182.637 ; 346.56,182.637 351.64,182.637 ; 351.64,182.637 366.56,182.637 ; 366.56,182.637 371.64,182.637 ; 371.64,182.637 386.56,182.637 ; 386.56,182.637 391.64,182.637 ; 391.64,182.637 406.56,182.637 ; 406.56,182.637 411.64,182.637
CON8-9_GPIO0: J8.C16 J9.A16 | length 14.9
  Top Layer w1.45: J8.C16@251.64,163.27 J9.A16@266.56,163.27
CON8-9_GPIO1: J8.C17 J9.A17 | length 14.9
  Top Layer w1.45: J8.C17@251.64,160.73 J9.A17@266.56,160.73
CON8-9_GPIO2: J8.C18 J9.A18 | length 14.9
  Top Layer w1.45: J8.C18@251.64,158.19 J9.A18@266.56,158.19
CON8-9_GPIO3: J8.C19 J9.A19 | length 14.9
  Top Layer w1.45: J8.C19@251.64,155.65 J9.A19@266.56,155.65
CON8-9_GPIO4: J8.C20 J9.A20 | length 14.9
  Top Layer w1.45: J8.C20@251.64,153.11 J9.A20@266.56,153.11
CON8-9_GPIO5: J8.C21 J9.A21 | length 14.9
  Top Layer w1.45: J8.C21@251.64,150.57 J9.A21@266.56,150.57
CON8-9_GPIO6: J8.C22 J9.A22 | length 14.9
  Top Layer w1.45: J8.C22@251.64,148.03 J9.A22@266.56,148.03
CON8-9_GPIO7: J8.C23 J9.A23 | length 14.9
  Top Layer w1.45: J8.C23@251.64,145.49 J9.A23@266.56,145.49
CON8-9_GPIO8: J8.C24 J9.A24 | length 14.9
  Top Layer w1.45: J8.C24@251.64,142.95 J9.A24@266.56,142.95
CON8-9_GPIO9: J8.C25 J9.A25 | length 14.9
  Top Layer w1.45: J8.C25@251.64,140.41 J9.A25@266.56,140.41
CON8-9_GPIO10: J8.C26 J9.A26 | length 14.9
  Top Layer w1.45: J8.C26@251.64,137.87 J9.A26@266.56,137.87
CON8-9_GPIO11: J8.C27 J9.A27 | length 14.9
  Top Layer w1.45: J8.C27@251.64,135.33 J9.A27@266.56,135.33
CON8-9_GPIO12: J8.C28 J9.A28 | length 14.9
  Top Layer w1.45: J8.C28@251.64,132.79 J9.A28@266.56,132.79
CON8-9_GPIO13: J8.C29 J9.A29 | length 14.9
  Top Layer w1.45: J8.C29@251.64,130.25 J9.A29@266.56,130.25
CON8-9_GPIO14: J8.C30 J9.A30 | length 14.9
  Top Layer w1.45: J8.C30@251.64,127.71 J9.A30@266.56,127.71
CON8-9_GPIO15: J8.C31 J9.A31 | length 14.9
  Top Layer w1.45: J8.C31@251.64,125.17 J9.A31@266.56,125.17